# KiCad board EnvKB105-RPI.kicad_pcb
date: 2021-06-16
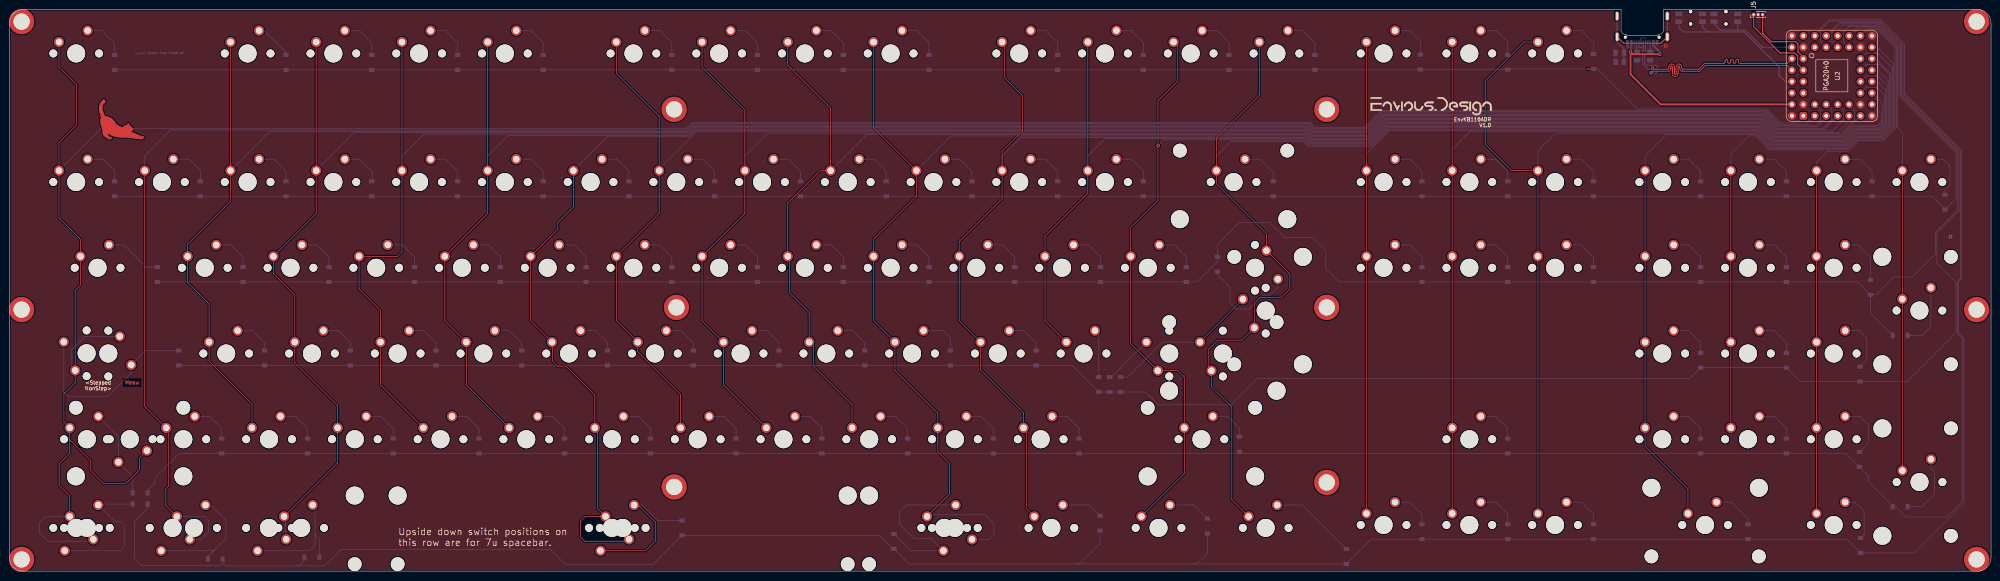
[diagram p0: board, top side]
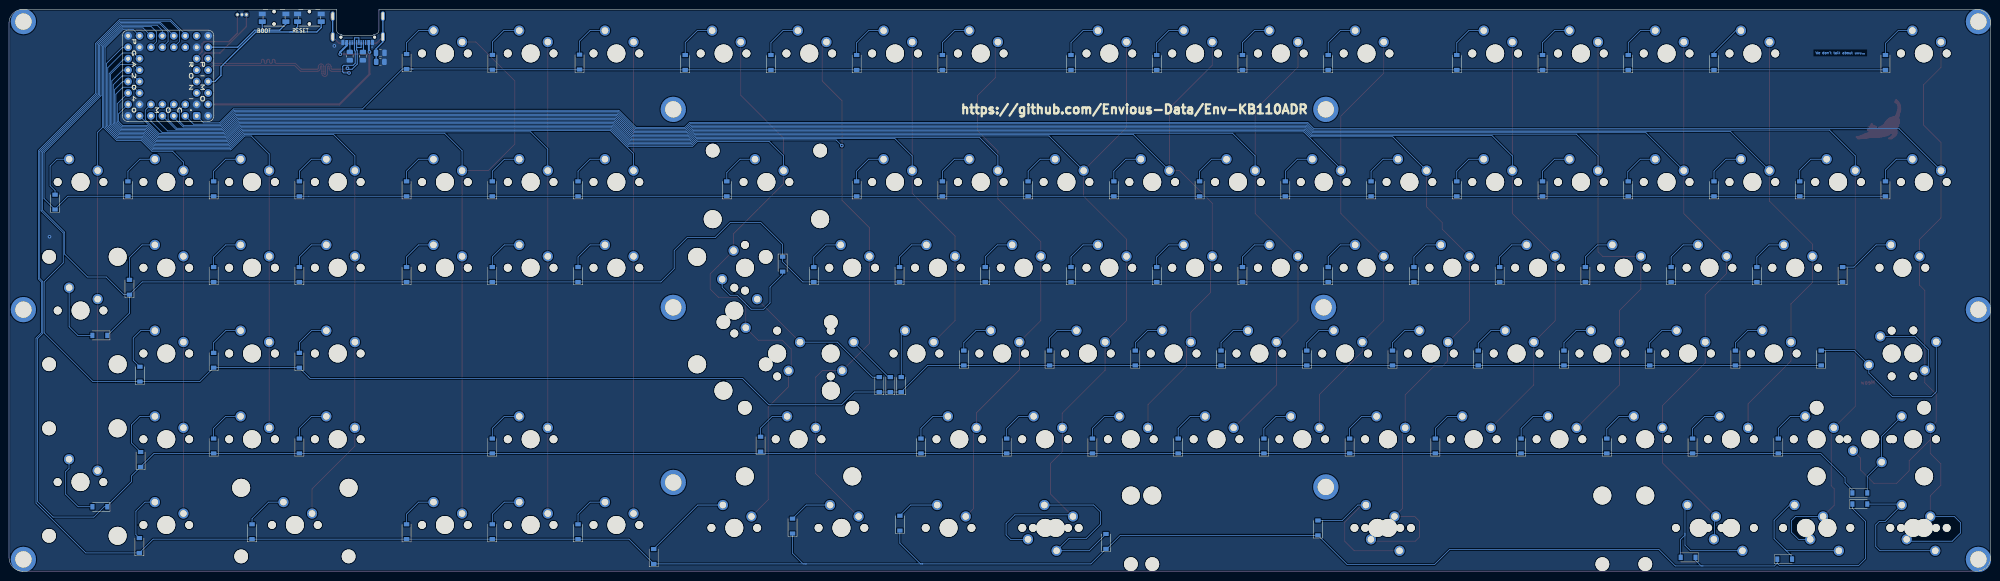
[diagram p1: board, bottom side, seen from below]

Outline 440.3 x 124.8 mm; copper layers: Top, Bottom. Coordinates in mm from the lower left corner of the outline.
Outline path: 358.1,124.6 358.1,124.8 3,124.8 arc(0.88,123.92) 0,121.8 0,3 arc(0.88,0.88) 3,0 437.3,0 arc(439.42,0.88) 440.3,3 440.3,121.8 arc(439.42,123.92) 437.3,124.8 367.5,124.8 367.5,124.6
Stack: Top 0.035mm / dielectric 1.51mm FR4 er 4.5 / Bottom 0.035mm

## Placement (name value [footprint] x y rotation side)
C9  0.1uf 0805  [C_0805_2012Metric]  357.8 115.15 180 bottom
D_12  1N4148W  [D_SOD-123]  23.35 113.02 90 bottom
D_13  1N4148W  [D_SOD-123]  61.45 113.02 90 bottom
D_14  1N4148W  [D_SOD-123]  80.5 113.02 90 bottom
D_15  1N4148W  [D_SOD-123]  99.55 113.02 90 bottom
D_16  1N4148W  [D_SOD-123]  118.6 113.02 90 bottom
D_17  1N4148W  [D_SOD-123]  147.18 113.02 90 bottom
D_18  1N4148W  [D_SOD-123]  166.23 113.02 90 bottom
D_19  1N4148W  [D_SOD-123]  185.27 113.02 90 bottom
D_20  1N4148W  [D_SOD-123]  204.32 113.02 90 bottom
D_21  1N4148W  [D_SOD-123]  232.9 113.02 90 bottom
D_22  1N4148W  [D_SOD-123]  251.95 113.02 90 bottom
D_23  1N4148W  [D_SOD-123]  271 113.02 90 bottom
D_24  1N4148W  [D_SOD-123]  290.05 113.02 90 bottom
D_25  1N4148W  [D_SOD-123]  313.52 113.1 90 bottom
D_26  1N4148W  [D_SOD-123]  332.89 113.05 90 bottom
D_27  1N4148W  [D_SOD-123]  351.95 113.23 90 bottom
D_28  1N4148W  [D_SOD-123]  23.35 84.95 90 bottom
D_29  1N4148W  [D_SOD-123]  42.4 84.95 90 bottom
D_30  1N4148W  [D_SOD-123]  61.45 84.95 90 bottom
D_31  1N4148W  [D_SOD-123]  80.5 84.95 90 bottom
D_32  1N4148W  [D_SOD-123]  99.55 84.95 90 bottom
D_33  1N4148W  [D_SOD-123]  118.6 84.95 90 bottom
D_34  1N4148W  [D_SOD-123]  137.65 84.95 90 bottom
D_35  1N4148W  [D_SOD-123]  156.7 84.95 90 bottom
D_36  1N4148W  [D_SOD-123]  175.75 84.95 90 bottom
D_37  1N4148W  [D_SOD-123]  194.8 84.95 90 bottom
D_38  1N4148W  [D_SOD-123]  213.85 84.95 90 bottom
D_39  1N4148W  [D_SOD-123]  232.9 84.95 90 bottom
D_40  1N4148W  [D_SOD-123]  251.95 84.95 90 bottom
D_41  1N4148W  [D_SOD-123]  280.8 84.95 90 bottom
D_42  1N4148W  [D_SOD-123]  313.86 84.95 90 bottom
D_43  1N4148W  [D_SOD-123]  332.91 84.95 90 bottom
D_44  1N4148W  [D_SOD-123]  351.96 84.95 90 bottom
D_45  1N4148W  [D_SOD-123]  375.77 84.95 90 bottom
D_46  1N4148W  [D_SOD-123]  394.82 84.95 90 bottom
D_47  1N4148W  [D_SOD-123]  413.88 84.95 90 bottom
D_48  1N4148W  [D_SOD-123]  430.07 81.99 90 bottom
D_49  1N4148W  [D_SOD-123]  32.88 65.9 90 bottom
D_50  1N4148W  [D_SOD-123]  51.92 65.9 90 bottom
D_51  1N4148W  [D_SOD-123]  70.98 65.9 90 bottom
D_52  1N4148W  [D_SOD-123]  90.03 65.9 90 bottom
D_53  1N4148W  [D_SOD-123]  109.08 65.9 90 bottom
D_54  1N4148W  [D_SOD-123]  128.12 65.9 90 bottom
D_55  1N4148W  [D_SOD-123]  147.18 65.9 90 bottom
D_56  1N4148W  [D_SOD-123]  166.23 65.9 90 bottom
D_57  1N4148W  [D_SOD-123]  185.27 65.9 90 bottom
D_58  1N4148W  [D_SOD-123]  204.32 65.9 90 bottom
D_59  1N4148W  [D_SOD-123]  223.38 65.9 90 bottom
D_60  1N4148W  [D_SOD-123]  242.43 65.9 90 bottom
D_61  1N4148W  [D_SOD-123]  261.47 65.9 90 bottom
D_62  1N4148W  [D_SOD-123]  246.91 41.45 90 bottom
D_63  1N4148W  [D_SOD-123]  313.86 65.9 90 bottom
D_64  1N4148W  [D_SOD-123]  332.91 65.9 90 bottom
D_65  1N4148W  [D_SOD-123]  351.96 65.9 90 bottom
D_66  1N4148W  [D_SOD-123]  375.77 65.9 90 bottom
D_67  1N4148W  [D_SOD-123]  394.82 65.9 90 bottom
D_68  1N4148W  [D_SOD-123]  413.53 63.07 90 bottom
D_69  1N4148W  [D_SOD-123]  420.12 52.37 0 bottom
D_70  1N4148W  [D_SOD-123]  37.64 47.35 90 bottom
D_71  1N4148W  [D_SOD-123]  56.69 47.35 90 bottom
D_72  1N4148W  [D_SOD-123]  75.74 47.35 90 bottom
D_73  1N4148W  [D_SOD-123]  94.79 47.35 90 bottom
D_74  1N4148W  [D_SOD-123]  113.84 47.35 90 bottom
D_75  1N4148W  [D_SOD-123]  132.89 47.35 90 bottom
D_76  1N4148W  [D_SOD-123]  151.94 47.35 90 bottom
D_77  1N4148W  [D_SOD-123]  170.99 47.35 90 bottom
D_78  1N4148W  [D_SOD-123]  190.04 47.35 90 bottom
D_79  1N4148W  [D_SOD-123]  209.09 47.35 90 bottom
D_80  1N4148W  [D_SOD-123]  228.14 47.35 90 bottom
D_81  1N4148W  [D_SOD-123]  242.05 41.45 90 bottom
D_82  1N4148W  [D_SOD-123]  244.46 41.45 90 bottom
D_83  1N4148W  [D_SOD-123]  375.77 46.85 90 bottom
D_84  1N4148W  [D_SOD-123]  394.82 46.85 90 bottom
D_85  1N4148W  [D_SOD-123]  411.22 43.76 90 bottom
D_86  1N4148W  [D_SOD-123]  29.05 17.38 180 bottom
D_87  1N4148W  [D_SOD-123]  47.16 27.8 90 bottom
D_88  1N4148W  [D_SOD-123]  66.21 27.8 90 bottom
D_89  1N4148W  [D_SOD-123]  85.26 27.8 90 bottom
D_90  1N4148W  [D_SOD-123]  104.31 27.8 90 bottom
D_91  1N4148W  [D_SOD-123]  123.36 27.8 90 bottom
D_92  1N4148W  [D_SOD-123]  142.41 27.8 90 bottom
D_93  1N4148W  [D_SOD-123]  161.46 27.8 90 bottom
D_94  1N4148W  [D_SOD-123]  180.51 27.8 90 bottom
D_95  1N4148W  [D_SOD-123]  199.56 27.8 90 bottom
D_96  1N4148W  [D_SOD-123]  218.61 27.8 90 bottom
D_97  1N4148W  [D_SOD-123]  237.66 27.8 90 bottom
D_98  1N4148W  [D_SOD-123]  273.3 28.2 90 bottom
D_99  1N4148W  [D_SOD-123]  332.91 27.8 90 bottom
D_100  1N4148W  [D_SOD-123]  375.77 27.8 90 bottom
D_101  1N4148W  [D_SOD-123]  394.82 27.8 90 bottom
D_102  1N4148W  [D_SOD-123]  411.06 24.81 90 bottom
D_103  1N4148W  [D_SOD-123]  420.11 14.3 0 bottom
D_104  1N4148W  [D_SOD-123]  29.05 14.9 180 bottom
D_105  1N4148W  [D_SOD-123]  45.75 2.65 180 bottom
D_106  1N4148W  [D_SOD-123]  67.2 3.05 0 bottom
D_107  1N4148W  [D_SOD-123]  149.45 9.6 90 bottom
D_108  1N4148W  [D_SOD-123]  196.55 6.6 90 bottom
D_109  1N4148W  [D_SOD-123]  242.35 10.65 90 bottom
D_110  1N4148W  [D_SOD-123]  266.2 10 90 bottom
D_111  1N4148W  [D_SOD-123]  297.05 3.25 90 bottom
D_112  1N4148W  [D_SOD-123]  313.86 8.75 90 bottom
D_113  1N4148W  [D_SOD-123]  332.91 8.75 90 bottom
D_114  1N4148W  [D_SOD-123]  351.96 8.75 90 bottom
D_115  1N4148W  [D_SOD-123]  386.3 8.75 90 bottom
D_116  1N4148W  [D_SOD-123]  411.33 5.69 90 bottom
D_117  1N4148W  [D_SOD-123]  268.4 68.2 270 bottom
G***  LOGO  [cat]  24.9 100.4 0 top
H1  MountingHole  [MountingHole_2.2mm_M2_Pad-Mod]  2.7 58.1 0 top
H2  MountingHole  [MountingHole_2.2mm_M2_Pad-Mod]  147.7 18.7 0 top
H3  MountingHole  [MountingHole_2.2mm_M2_Pad-Mod]  292.7 19.7 0 top
H4  MountingHole  [MountingHole_2.2mm_M2_Pad-Mod]  437.1 58.1 0 top
H5  MountingHole  [MountingHole_2.2mm_M2_Pad-Mod]  2.7 2.6 0 top
H6  MountingHole  [MountingHole_2.2mm_M2_Pad-Mod]  147.7 102.6 0 top
H7  MountingHole  [MountingHole_2.2mm_M2_Pad-Mod]  292.7 102.6 0 top
H8  MountingHole  [MountingHole_2.2mm_M2_Pad-Mod]  437.1 2.6 0 top
H9  MountingHole  [MountingHole_2.2mm_M2_Pad-Mod]  2.7 122.1 0 top
H10  MountingHole  [MountingHole_2.2mm_M2_Pad-Mod]  148.2 58.6 0 top
H11  MountingHole  [MountingHole_2.2mm_M2_Pad-Mod]  292.7 58.6 0 top
H12  MountingHole  [MountingHole_2.2mm_M2_Pad-Mod]  437.1 122.1 0 top
J5  Conn_01x03_Male  [PinHeader_1x03_P1.00mm_Vertical]  387.55 123.65 90 top
K_12  KEYSW  [MXOnly-1U-NoLED]  14.83 115.02 0 top
K_13  KEYSW  [MXOnly-1U-NoLED]  52.92 115.02 0 top
K_14  KEYSW  [MXOnly-1U-NoLED]  71.98 115.02 0 top
K_15  KEYSW  [MXOnly-1U-NoLED]  91.03 115.02 0 top
K_16  KEYSW  [MXOnly-1U-NoLED]  110.08 115.02 0 top
K_17  KEYSW  [MXOnly-1U-NoLED]  138.65 115.02 0 top
K_18  KEYSW  [MXOnly-1U-NoLED]  157.7 115.02 0 top
K_19  KEYSW  [MXOnly-1U-NoLED]  176.75 115.02 0 top
K_20  KEYSW  [MXOnly-1U-NoLED]  195.8 115.02 0 top
K_21  KEYSW  [MXOnly-1U-NoLED]  224.38 115.02 0 top
K_22  KEYSW  [MXOnly-1U-NoLED]  243.43 115.02 0 top
K_23  KEYSW  [MXOnly-1U-NoLED]  262.47 115.02 0 top
K_24  KEYSW  [MXOnly-1U-NoLED]  281.52 115.02 0 top
K_25  KEYSW  [MXOnly-1U-NoLED]  305.34 115.02 0 top
K_26  KEYSW  [MXOnly-1U-NoLED]  324.39 115.02 0 top
K_27  KEYSW  [MXOnly-1U-NoLED]  343.44 115.02 0 top
K_28  KEYSW  [MXOnly-1U-NoLED]  14.83 86.45 0 top
K_29  KEYSW  [MXOnly-1U-NoLED]  33.88 86.45 0 top
K_30  KEYSW  [MXOnly-1U-NoLED]  52.92 86.45 0 top
K_31  KEYSW  [MXOnly-1U-NoLED]  71.98 86.45 0 top
K_32  KEYSW  [MXOnly-1U-NoLED]  91.03 86.45 0 top
K_33  KEYSW  [MXOnly-1U-NoLED]  110.08 86.45 0 top
K_34  KEYSW  [MXOnly-1U-NoLED]  129.12 86.45 0 top
K_35  KEYSW  [MXOnly-1U-NoLED]  148.18 86.45 0 top
K_36  KEYSW  [MXOnly-1U-NoLED]  167.23 86.45 0 top
K_37  KEYSW  [MXOnly-1U-NoLED]  186.27 86.45 0 top
K_38  KEYSW  [MXOnly-1U-NoLED]  205.32 86.45 0 top
K_39  KEYSW  [MXOnly-1U-NoLED]  224.38 86.45 0 top
K_40  KEYSW  [MXOnly-1U-NoLED]  243.43 86.45 0 top
K_41  KEYSW  [MXOnly-1U-NoLED]  272 86.45 0 top
K_42  KEYSW  [MXOnly-1U-NoLED]  305.34 86.45 0 top
K_43  KEYSW  [MXOnly-1U-NoLED]  324.39 86.45 0 top
K_44  KEYSW  [MXOnly-1U-NoLED]  343.44 86.45 0 top
K_45  KEYSW  [MXOnly-1U-NoLED]  367.25 86.45 0 top
K_46  KEYSW  [MXOnly-1U-NoLED]  386.3 86.45 0 top
K_47  KEYSW  [MXOnly-1U-NoLED]  405.35 86.45 0 top
K_48  KEYSW  [MXOnly-1U-NoLED]  424.4 86.45 0 top
K_49  KEYSW  [MXOnly-1U-NoLED]  19.59 67.4 0 top
K_50  KEYSW  [MXOnly-1U-NoLED]  43.4 67.4 0 top
K_51  KEYSW  [MXOnly-1U-NoLED]  62.45 67.4 0 top
K_52  KEYSW  [MXOnly-1U-NoLED]  81.5 67.4 0 top
K_53  KEYSW  [MXOnly-1U-NoLED]  100.55 67.4 0 top
K_54  KEYSW  [MXOnly-1U-NoLED]  119.6 67.4 0 top
K_55  KEYSW  [MXOnly-1U-NoLED]  138.65 67.4 0 top
K_56  KEYSW  [MXOnly-1U-NoLED]  157.7 67.4 0 top
K_57  KEYSW  [MXOnly-1U-NoLED]  176.75 67.4 0 top
K_58  KEYSW  [MXOnly-1U-NoLED]  195.8 67.4 0 top
K_59  KEYSW  [MXOnly-1U-NoLED]  214.85 67.4 0 top
K_60  KEYSW  [MXOnly-1U-NoLED]  233.9 67.4 0 top
K_61  KEYSW  [MXOnly-1U-NoLED]  252.95 67.4 0 top
K_62  KEYSW  [MXOnly-1U-NoLED]  279.14 57.88 90 top
K_63  KEYSW  [MXOnly-1U-NoLED]  305.34 67.4 0 top
K_64  KEYSW  [MXOnly-1U-NoLED]  324.39 67.4 0 top
K_65  KEYSW  [MXOnly-1U-NoLED]  343.44 67.4 0 top
K_66  KEYSW  [MXOnly-1U-NoLED]  367.25 67.4 0 top
K_67  KEYSW  [MXOnly-1U-NoLED]  386.3 67.4 0 top
K_68  KEYSW  [MXOnly-1U-NoLED]  405.35 67.4 0 top
K_69  KEYSW  [MXOnly-1U-NoLED]  424.4 57.9 0 top
K_70  KEYSW  [MXOnly-1U-NoLED]  21.97 48.35 270 top
K_70B1  KEYSW  [MXOnly-1U-NoLED]  17.15 48.4 90 top
K_71  KEYSW  [MXOnly-1U-NoLED]  48.16 48.35 0 top
K_72  KEYSW  [MXOnly-1U-NoLED]  67.21 48.35 0 top
K_73  KEYSW  [MXOnly-1U-NoLED]  86.26 48.35 0 top
K_74  KEYSW  [MXOnly-1U-NoLED]  105.31 48.35 0 top
K_75  KEYSW  [MXOnly-1U-NoLED]  124.36 48.35 0 top
K_76  KEYSW  [MXOnly-1U-NoLED]  143.41 48.35 0 top
K_77  KEYSW  [MXOnly-1U-NoLED]  162.46 48.35 0 top
K_78  KEYSW  [MXOnly-1U-NoLED]  181.51 48.35 0 top
K_79  KEYSW  [MXOnly-1U-NoLED]  200.56 48.35 0 top
K_80  KEYSW  [MXOnly-1U-NoLED]  219.61 48.35 0 top
K_81  KEYSW  [MXOnly-1U-NoLED]  238.66 48.35 0 top
K_82  KEYSW  [MXOnly-1U-NoLED]  257.71 48.35 90 top
K_83  KEYSW  [MXOnly-1U-NoLED]  367.25 48.35 0 top
K_84  KEYSW  [MXOnly-1U-NoLED]  386.3 48.35 0 top
K_85  KEYSW  [MXOnly-1U-NoLED]  405.35 48.35 0 top
K_86  KEYSW  [MXOnly-1U-NoLED]  17.21 29.3 0 top
K_87  KEYSW  [MXOnly-1U-NoLED]  38.64 29.3 0 top
K_88  KEYSW  [MXOnly-1U-NoLED]  57.69 29.3 0 top
K_89  KEYSW  [MXOnly-1U-NoLED]  76.74 29.3 0 top
K_90  KEYSW  [MXOnly-1U-NoLED]  95.79 29.3 0 top
K_91  KEYSW  [MXOnly-1U-NoLED]  114.84 29.3 0 top
K_92  KEYSW  [MXOnly-1U-NoLED]  133.89 29.3 0 top
K_93  KEYSW  [MXOnly-1U-NoLED]  152.94 29.3 0 top
K_94  KEYSW  [MXOnly-1U-NoLED]  171.99 29.3 0 top
K_95  KEYSW  [MXOnly-1U-NoLED]  191.04 29.3 0 top
K_96  KEYSW  [MXOnly-1U-NoLED]  210.09 29.3 0 top
K_97  KEYSW  [MXOnly-1U-NoLED]  229.14 29.3 0 top
K_98  KEYSW  [MXOnly-1U-NoLED]  264.86 29.3 0 top
K_99  KEYSW  [MXOnly-1U-NoLED]  324.39 29.3 0 top
K_100  KEYSW  [MXOnly-1U-NoLED]  367.25 29.3 0 top
K_101  KEYSW  [MXOnly-1U-NoLED]  386.3 29.3 0 top
K_102  KEYSW  [MXOnly-1U-NoLED]  405.35 29.3 0 top
K_103  KEYSW  [MXOnly-1U-NoLED]  424.42 19.78 0 top
K_104  KEYSW  [MXOnly-1U-NoLED]  17.2 9.6 0 top
K_104B1  KEYSW  [MXOnly-1U-NoLED]  14.83 9.6 180 top
K_105  KEYSW  [MXOnly-1U-NoLED]  41.02 9.6 0 top
K_105B1  KEYSW  [MXOnly-1U-NoLED]  36.25 9.6 180 top
K_106  KEYSW  [MXOnly-1U-NoLED]  64.83 9.6 0 top
K_106B1  KEYSW  [MXOnly-1U-NoLED]  57.67 9.6 180 top
K_107  KEYSW  [MXOnly-1U-NoLED]  136.26 9.6 0 top
K_107B1  KEYSW  [MXOnly-1U-NoLED]  133.87 9.6 180 top
K_108  KEYSW  [MXOnly-1U-NoLED]  207.7 9.6 0 top
K_108C1  KEYSW  [MXOnly-1U-NoLED]  210.07 9.6 180 top
K_109  KEYSW  [MXOnly-1U-NoLED]  231.52 9.6 0 top
K_110  KEYSW  [MXOnly-1U-NoLED]  255.33 9.6 0 top
K_111  KEYSW  [MXOnly-1U-NoLED]  279.14 9.6 0 top
K_112  KEYSW  [MXOnly-1U-NoLED]  305.34 10.25 0 top
K_113  KEYSW  [MXOnly-1U-NoLED]  324.39 10.25 0 top
K_114  KEYSW  [MXOnly-1U-NoLED]  343.44 10.25 0 top
K_115  KEYSW  [MXOnly-1U-NoLED]  376.77 10.25 0 top
K_116  KEYSW  [MXOnly-1U-NoLED]  405.35 10.25 0 top
K_ANSI_1  KEYSW  [MXOnly-1U-NoLED]  26.74 29.3 180 top
K_ANSI_2  KEYSW  [MXOnly-1U-NoLED]  269.62 48.34 90 top
K_ANSI_3  KEYSW  [MXOnly-1U-NoLED]  276.76 67.4 270 top
kibuzzard-6261CED5  G***  [kibuzzard-6261CED5]  315.9 103.3 0 top
R5  5.1K 0805  [R_0805_2012Metric]  361.66 114.41 90 bottom
R6  5.1K 0805  [R_0805_2012Metric]  364.58 114.42 90 bottom
R8  330r 0805  [R_0805_2012Metric]  357.8 113.15 180 bottom
stab1  MountingHole  [Stabilizer_Cherry_MX_2u]  272 86.45 0 top
stab2  MountingHole  [Stabilizer_Cherry_MX_2u]  269.62 48.34 0 top
stab3  MountingHole  [Stabilizer_Cherry_MX_2u]  26.7 29.31 0 top
stab4  MountingHole  [Stabilizer_Cherry_MX_2u]  264.86 29.3 0 top
stab5  MountingHole  [Stabilizer_Cherry_MX_6.25u]  136.26 8.53 180 top
stab6  MountingHole  [Stabilizer_Cherry_MX_2u]  279.14 57.88 90 top
stab7  MountingHole  [Stabilizer_Cherry_MX_2u]  424.4 57.9 270 top
stab8  MountingHole  [Stabilizer_Cherry_MX_2u]  424.42 19.78 270 top
stab9  MountingHole  [Stabilizer_Cherry_MX_2u]  376.77 10.25 180 top
stab101  MountingHole  [Stabilizer_Cherry_MX_7u]  133.87 8.53 180 top
SW1  EVQP  [Panasonic_EVQPUL_EVQPUC]  373.55 122.95 180 bottom
SW2  EVQP  [Panasonic_EVQPUL_EVQPUC]  381.4 122.95 180 bottom
U2  -  [PGA2040]  404.95 110.05 90 top
USB1  TYPE-C-31-M-14  [USB_C_TYPE-C-31-M-14]  362.8 120.3 0 bottom

## Library data of the parts
C9 = -: Description: Unpolarized capacitor, small symbol
D_12-D_117 = -: Description: Diode, small symbol
H1-H12 stab1-stab9 stab101 = -: Description: Mounting Hole without connection
J5 = -: Description: Generic connector, single row, 01x03, script generated (kicad-library-utils/schlib/autogen/connector/)
R5 R6 R8 = -: Description: Resistor, small symbol
SW1 SW2 = -: Description: Push button switch, generic, two pins
USB1 = -: Description: USB 2.0-only Type-C Receptacle connector; LCSC: C319148; MPN: U262-161N-4BVC11; Manufacturer: XKB Enterprise

## Footprints (pads in the part's own frame, mm; a bottom-side part is the same pattern mirrored in y, then rotated)
C_0805_2012Metric
  rrect 1x1.45 smd: 1(-0.95,0) 2(0.95,0)
D_SOD-123
  rect 0.9x1.2 smd: 1(-1.65,0) 2(1.65,0)
MountingHole_2.2mm_M2_Pad-Mod
  round 5.6 hole 3.615: 1(0,0)
MXOnly-1U-NoLED
  round 1.75 hole 1.75 unplated: (-5.08,0) (5.08,0)
  round 3.988 hole 3.988 unplated: (0,0)
  round 2.25 hole 1.47: 1(-3.81,2.54) 2(2.54,5.08)
Panasonic_EVQPUL_EVQPUC
  round 0.75 hole 0.75 unplated: (0,-1.375) (0,1.375)
  rect 1.55x1 smd: 1(-2.625,0.85) 1(2.625,0.85) 2(-2.625,-0.85) 2(2.625,-0.85)
PGA2040
  rrect 1.7x1.7 hole 0.85: 1(-8.89,6.35)
  round 1.7 hole 0.85: 2(-8.89,3.81) 3(-6.35,3.81) 4(-8.89,1.27) 5(-6.35,1.27) 6(-8.89,-1.27) 7(-6.35,-1.27) 8(-8.89,-3.81) 9(-6.35,-3.81) 10(-8.89,-6.35) 11(-6.35,-6.35) 12(-8.89,-8.89) 13(-6.35,-8.89) 14(-3.81,-8.89) 15(-3.81,-6.35) 16(-1.27,-8.89) 17(-1.27,-6.35) 18(1.27,-8.89) 19(1.27,-6.35) 20(3.81,-8.89) 21(3.81,-6.35) 22(6.35,-8.89) 23(6.35,-6.35) 24(8.89,-8.89) 25(8.89,-6.35) 26(8.89,-3.81) 27(6.35,-3.81) 28(8.89,-1.27) 29(6.35,-1.27) 30(8.89,1.27) 31(6.35,1.27) 32(8.89,3.81) 33(6.35,3.81) 34(8.89,6.35) 35(6.35,6.35) 36(8.89,8.89) 37(6.35,8.89) 38(3.81,8.89) 39(3.81,6.35) 40(1.27,8.89) 41(1.27,6.35) 42(-1.27,8.89) 43(-1.27,6.35) 44(-3.81,8.89) 45(-3.81,6.35) 46(-6.35,8.89) 47(-6.35,6.35) 48(-8.89,8.89)
PinHeader_1x03_P1.00mm_Vertical
  rect 0.85x0.85 hole 0.5: 1(0,0)
  oval 0.85x0.85 hole 0.5: 2(0,-1) 3(0,-2)
R_0805_2012Metric
  rrect 1.025x1.4 smd: 1(-0.912,0) 2(0.912,0)
Stabilizer_Cherry_MX_2u
  round 3.048 hole 3.048 unplated: (-11.938,6.985) (11.938,6.985)
  round 3.988 hole 3.988 unplated: (-11.938,-8.255) (11.938,-8.255)
Stabilizer_Cherry_MX_6.25u
  round 3.048 hole 3.048 unplated: (-50,6.985) (50,6.985)
  round 3.988 hole 3.988 unplated: (-50,-8.255) (50,-8.255)
Stabilizer_Cherry_MX_7u
  round 3.048 hole 3.048 unplated: (-57.15,6.985) (57.15,6.985)
  round 3.988 hole 3.988 unplated: (-57.15,-8.255) (57.15,-8.255)
USB_C_TYPE-C-31-M-14
  round 0.65 hole 0.65 unplated: (-3.75,1.66) (3.75,1.66)
  rect 0.6x1.1 smd: A1(-3.3,2.86) A4(-2.45,2.86) A9(2.45,2.86) A12(3.3,2.86) B1(3.3,2.86) B4(2.45,2.86) B9(-2.45,2.86) B12(-3.3,2.86)
  rect 0.3x1.1 smd: A5(-1.25,2.86) A6(-0.25,2.86) A7(0.25,2.86) A8(1.25,2.86) B5(1.75,2.86) B6(0.75,2.86) B7(-0.75,2.86) B8(-1.75,2.86)
  oval 0.9x2.1 hole 0.5x1.7: S1(-5.575,-3.02) S1(-5.575,1.58) S1(5.575,-3.02) S1(5.575,1.58)

## Nets
GND: C9.2 J5.2 R5.1 R6.1 R8.2 SW1.1 SW2.1 U2.11 U2.12 U2.23 U2.24 U2.35 U2.36 U2.47 U2.48 USB1.A1 USB1.A12 USB1.B1 USB1.B12
VBUS: U2.46 USB1.A4 USB1.A9 USB1.B4 USB1.B9
/BOOTSEL: SW2.2 U2.37
/RUN: SW1.2 U2.42
/SWCLK: J5.1 U2.41
/SWD: J5.3 U2.39
col0: K_12.1 K_28.1 K_49.1 K_70.1 K_70B1.1 K_86.1 K_104.1 K_104B1.1 K_ANSI_1.1 U2.2
col1: K_29.1 K_87.1 K_105.1 K_105B1.1 U2.3
col2: K_13.1 K_30.1 K_50.1 K_71.1 K_88.1 U2.4
col3: K_14.1 K_31.1 K_51.1 K_72.1 K_89.1 K_106.1 K_106B1.1 U2.5
col4: K_15.1 K_32.1 K_52.1 K_73.1 K_90.1 U2.6
col5: K_16.1 K_33.1 K_53.1 K_74.1 K_91.1 U2.7
col6: K_34.1 K_54.1 K_75.1 K_92.1 K_107.1 K_107B1.1 U2.8
col7: K_17.1 K_35.1 K_55.1 K_76.1 K_93.1 U2.9
col8: K_18.1 K_36.1 K_56.1 K_77.1 K_94.1 U2.10
col9: K_19.1 K_37.1 K_57.1 K_78.1 K_95.1 U2.13
col10: K_20.1 K_38.1 K_58.1 K_79.1 K_96.1 K_108.1 K_108C1.1 U2.14
col11: K_21.1 K_39.1 K_59.1 K_80.1 K_97.1 K_109.1 U2.15
col12: K_22.1 K_40.1 K_60.1 K_81.1 U2.16
col13: K_23.1 K_61.1 K_82.1 K_98.1 K_110.1 U2.17
col14: K_24.1 K_41.1 K_62.1 K_111.1 K_ANSI_2.1 K_ANSI_3.1 U2.18
col15: K_25.1 K_42.1 K_63.1 K_112.1 U2.19
col16: K_26.1 K_43.1 K_64.1 K_99.1 K_113.1 U2.20
col17: K_27.1 K_44.1 K_65.1 K_114.1 U2.21
col19: K_45.1 K_66.1 K_83.1 K_100.1 K_115.1 U2.22
col20: K_46.1 K_67.1 K_84.1 K_101.1 U2.25
col21: K_47.1 K_68.1 K_85.1 K_102.1 K_116.1 U2.26
col22: K_48.1 K_69.1 K_103.1 U2.27
row1: D_12.1 D_13.1 D_14.1 D_15.1 D_16.1 D_17.1 D_18.1 D_19.1 D_20.1 D_21.1 D_22.1 D_23.1 D_24.1 D_25.1 D_26.1 D_27.1 U2.1
row3: D_28.1 D_29.1 D_30.1 D_31.1 D_32.1 D_33.1 D_34.1 D_35.1 D_36.1 D_37.1 D_38.1 D_39.1 D_40.1 D_41.1 D_42.1 D_43.1 D_44.1 D_45.1 D_46.1 D_47.1 D_48.1 U2.28
row4: D_49.1 D_50.1 D_51.1 D_52.1 D_53.1 D_54.1 D_55.1 D_56.1 D_57.1 D_58.1 D_59.1 D_60.1 D_61.1 D_63.1 D_64.1 D_65.1 D_66.1 D_67.1 D_68.1 D_69.1 D_117.1 U2.29
row5: D_62.1 D_70.1 D_71.1 D_72.1 D_73.1 D_74.1 D_75.1 D_76.1 D_77.1 D_78.1 D_79.1 D_80.1 D_81.1 D_82.1 D_83.1 D_84.1 D_85.1 U2.30
row6: D_86.1 D_87.1 D_88.1 D_89.1 D_90.1 D_91.1 D_92.1 D_93.1 D_94.1 D_95.1 D_96.1 D_97.1 D_98.1 D_99.1 D_100.1 D_101.1 D_102.1 D_103.1 U2.31
row7: D_104.1 D_105.1 D_106.1 D_107.1 D_108.1 D_109.1 D_110.1 D_111.1 D_112.1 D_113.1 D_114.1 D_115.1 D_116.1 U2.32
USB_D+: U2.40 USB1.A6 USB1.B6
USB_D-: U2.38 USB1.A7 USB1.B7
Net-(D_12-A): D_12.2 K_12.2
Net-(D_13-A): D_13.2 K_13.2
Net-(D_14-A): D_14.2 K_14.2
Net-(D_15-A): D_15.2 K_15.2
Net-(D_16-A): D_16.2 K_16.2
Net-(D_17-A): D_17.2 K_17.2
Net-(D_18-A): D_18.2 K_18.2
Net-(D_19-A): D_19.2 K_19.2
Net-(D_20-A): D_20.2 K_20.2
Net-(D_21-A): D_21.2 K_21.2
Net-(D_22-A): D_22.2 K_22.2
Net-(D_23-A): D_23.2 K_23.2
Net-(D_24-A): D_24.2 K_24.2
Net-(D_25-A): D_25.2 K_25.2
Net-(D_26-A): D_26.2 K_26.2
Net-(D_27-A): D_27.2 K_27.2
Net-(D_28-A): D_28.2 K_28.2
Net-(D_29-A): D_29.2 K_29.2
Net-(D_30-A): D_30.2 K_30.2
Net-(D_31-A): D_31.2 K_31.2
Net-(D_32-A): D_32.2 K_32.2
Net-(D_33-A): D_33.2 K_33.2
Net-(D_34-A): D_34.2 K_34.2
Net-(D_35-A): D_35.2 K_35.2
Net-(D_36-A): D_36.2 K_36.2
Net-(D_37-A): D_37.2 K_37.2
Net-(D_38-A): D_38.2 K_38.2
Net-(D_39-A): D_39.2 K_39.2
Net-(D_40-A): D_40.2 K_40.2
Net-(D_41-A): D_41.2 K_41.2
Net-(D_42-A): D_42.2 K_42.2
Net-(D_43-A): D_43.2 K_43.2
Net-(D_44-A): D_44.2 K_44.2
Net-(D_45-A): D_45.2 K_45.2
Net-(D_46-A): D_46.2 K_46.2
Net-(D_47-A): D_47.2 K_47.2
Net-(D_48-A): D_48.2 K_48.2
Net-(D_49-A): D_49.2 K_49.2